# Altium PCB nPOC-BB_gamma_main-board.PcbDoc (part 3 of 3)
Units mm, origin at the board's own origin, x right, y up, seen from the top; angles counter-clockwise.
Board outline 84.2 x 118.74 mm, 4 copper layers (Top Layer, Layer 2, Layer 3, Bottom Layer), stack 1.528 mm thick; 241 components, 139 nets, 867 pads, 632 vias.
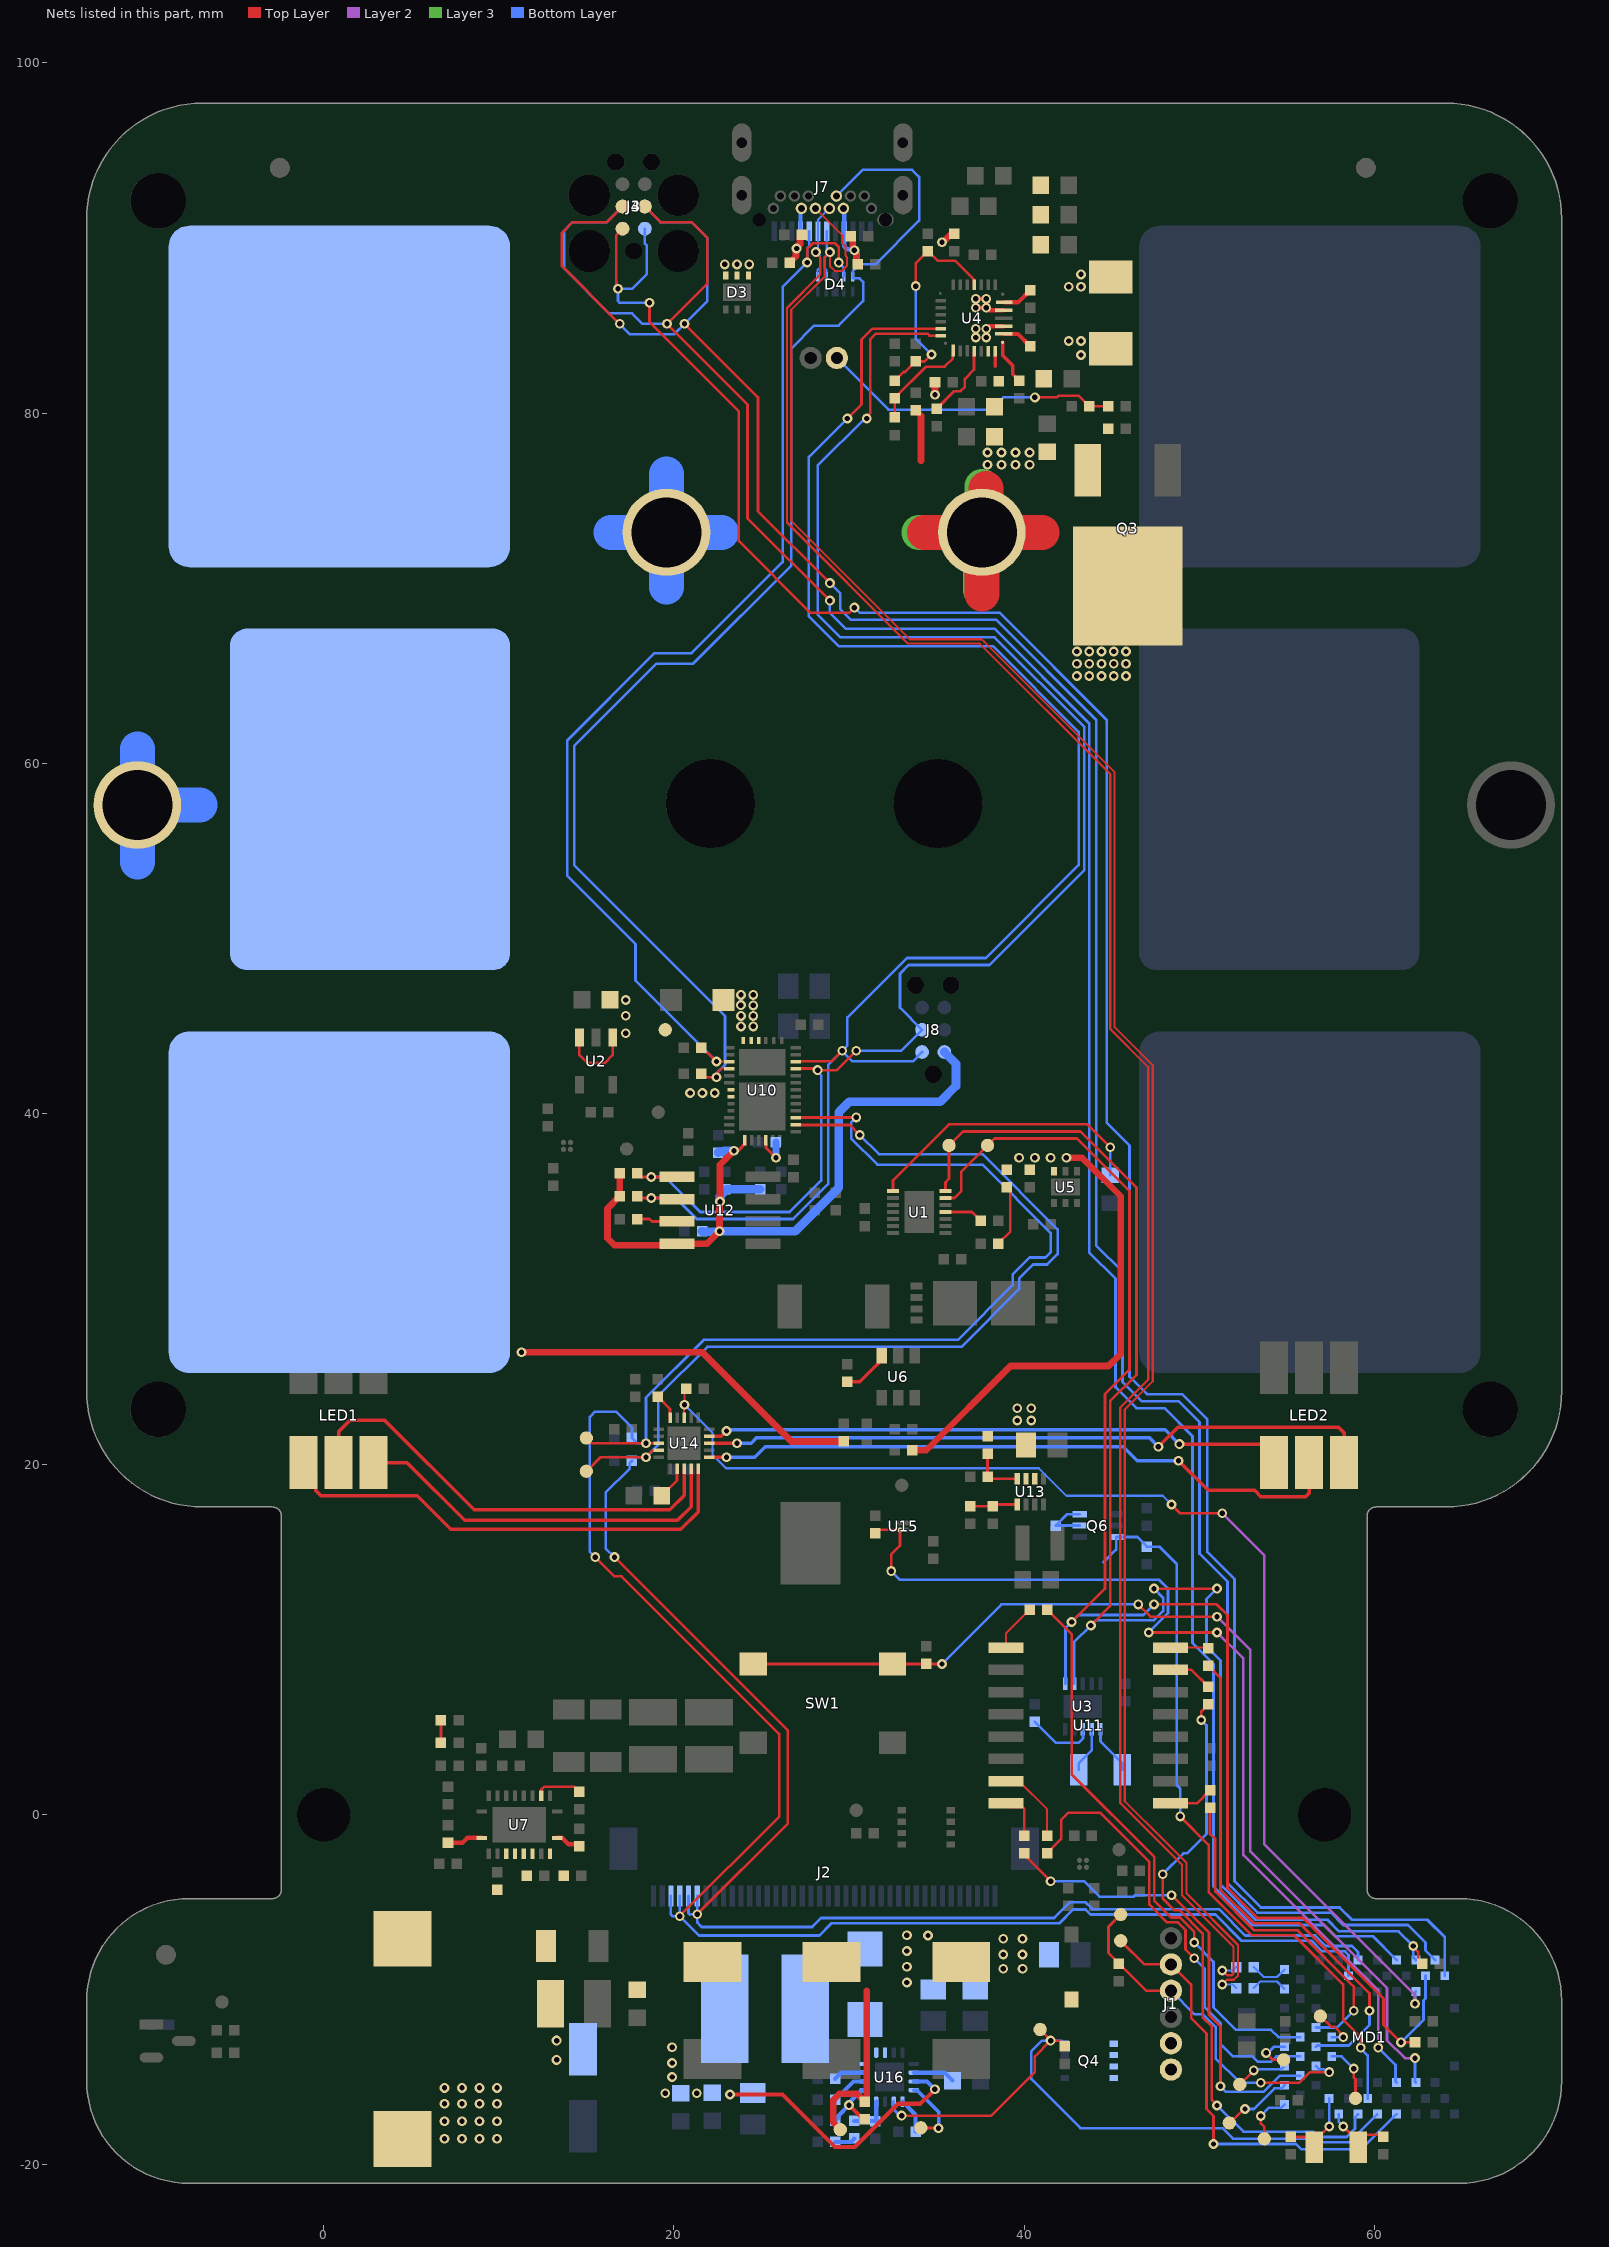
[diagram p5: the nets of this part, all layers, seen from the top]

## Via types
v1: diameter 0.559, hole 0.305, Top Layer to Bottom Layer, tented both sides, 632 vias

## Nets (pads, with @x,y where several pads share a name; then routed paths per layer and width w, separated by ;. In a path a pad name is that pad's centre, name@x,y a point inside that pad or via, vN(x,y) a via of type N, cw(c..) or ccw(c..) an arc to the next point about the centre after c; other vN are vias at no path point) (continued)
HTR_MODE: R72.2 U7.13 | length 2.7
  Top Layer w0.152: U7.13@12.424,1.072 12.424,1.424 12.6,1.6 14.3,1.6 R72.2@14.6,1.3
HTR_SS: C66.2 U7.10 | length 1.5
  Top Layer w0.25: U7.10@13.324,-1.328 13.628,-1.328 13.985,-1.685 14.485,-1.685 C66.2@14.6,-1.8
HTR_SW: C31.1 L2.2 R54.2 U7.4 U7.5 U7.6 U7.7
HTR_VCC: C36.2 U7.1 | length 2
  Top Layer w0.25: C36.2@7.1,-1.6 7.926,-1.6 8.198,-1.328 U7.1@9.024,-1.328
I2C0_SCL: J2.3 J2.4 MD1.34 R6.1 TP12.1 U10.9 U14.18 | length 137.5
  Top Layer w0.152: TP12.1@15,21.5 15.3,21.2 v1(18.4,21.2) 18.404,21.204 U14.18@19.126,21.204 ; v1(15.5,14.7) 16.6,13.6 17,13.6 26,4.6 26,-0.125 v1(20.325,-5.8) ; U10.9@26.949,39.788 26.955,39.794 30.394,39.794 v1(30.4,39.8)
  Bottom Layer w0.152: v1(15.5,14.7) 15.2,15 15.2,22.7 15.5,23 16.7,23 17.6,22.1 R6.1@17.6,21.5 17.9,21.2 v1(18.4,21.2) 18.4,23.8 21.7,27.1 36.2,27.1 39.337,30.237 39.337,30.837 40.3,31.8 41.2,31.8 41.5,32.1 41.5,33.2 37.6,37.1 31.618,37.1 30.117,38.6 30.117,39.517 v1(30.4,39.8) ; J2.3@19.825,-4.646 19.825,-5.708 19.914,-5.797 20.322,-5.797 v1(20.325,-5.8) ; J2.4@20.325,-4.646 v1(20.325,-5.8) ; MD1.34@58.5,-9.2 58.5,-8 58.3,-7.8 57,-7.8 56.4,-7.2 52.4,-7.2 50.9,-5.7 43.782,-5.7 43.5,-5.417 42.783,-5.417 42,-6.2 29,-6.2 28.3,-6.9 21.425,-6.9 v1(20.325,-5.8)
I2C0_SDA: J2.5 J2.6 MD1.35 R5.1 TP13.1 U10.8 U14.19 | length 130.4
  Top Layer w0.152: TP13.1@15,19.6 15.8,20.4 v1(18.4,20.4) 18.78,20.78 19.102,20.78 U14.19@19.126,20.804 ; v1(16.6,14.7) 26.5,4.8 26.5,-0.511 v1(21.325,-5.687) ; U10.8@26.949,39.388 26.973,39.364 30.036,39.364 v1(30.6,38.8)
  Bottom Layer w0.152: v1(16.6,14.7) 16.1,15.2 16.1,18.382 17.478,19.761 17.478,20.078 R5.1@17.6,20.2 ; R5.1@17.8,20.4 v1(18.4,20.4) 19.1,21.1 19.1,23.9 21.9,26.7 36.4,26.7 39.7,30 39.7,30.6 40.5,31.4 41.3,31.4 41.9,32 41.9,33.4 37.6,37.7 31.7,37.7 v1(30.6,38.8) ; J2.5@20.825,-4.646 20.825,-5.625 20.9,-5.7 20.913,-5.687 v1(21.325,-5.687) J2.6@21.325,-4.646 ; v1@21.331,-5.694 21.331,-6.163 21.489,-6.321 21.579,-6.411 27.889,-6.411 28.4,-5.9 41.7,-5.9 42.6,-5 43.478,-5 43.878,-5.4 51.1,-5.4 52.6,-6.9 56.6,-6.9 57.2,-7.5 58.7,-7.5 59.05,-7.85 MD1.35@59.05,-8.3
I2C1_SCL: MD1.41 R8.1 TP14.1 U1.14 U3.7 | length 86.4
  Top Layer w0.152: U1.14@35.496,35.6 35.496,36.096 35.7,36.3 TP14.1@35.7,38.2 36.5,39 43.2,39 46.4,35.8 46.4,25.1 44.9,23.6 44.9,11.9 v1(43.8,10.8) ; v1(47.4,12.9) v1(51,12.9) ; v1(62.2,-7.5) 62.2,-7.558 62.476,-7.834 62.476,-8.276 R8.1@62.7,-8.5
  Bottom Layer w0.152: U3.7@42.846,7.47 42.846,9.846 v1(43.8,10.8) 44.1,11.1 47.4,11.1 47.921,11.621 47.921,12.379 v1(47.4,12.9) ; v1(51,12.9) 50.4,12.3 50.4,9.6 51.2,8.8 51.2,-4 53.2,-6 57.3,-6 57.959,-6.659 61.359,-6.659 v1(62.2,-7.5) 62.2,-8.15 MD1.41@62.35,-8.3
I2C1_SDA: MD1.42 R7.1 TP15.1 U1.13 U3.6 | length 88.2
  Top Layer w0.152: U1.13@35.496,35.2 36,35.2 36.4,35.6 36.4,36.7 TP15.1@37.9,38.2 38.3,38.6 43,38.6 46,35.6 46,25.4 44.6,24 44.6,12.9 v1(42.7,11) ; v1(47.4,12) 50.982,12 51.6,11.382 51.6,-4.2 53.3,-5.9 55.9,-5.9 60.5,-10.5 60.5,-12 v1(61.5,-13) R7.1@62.3,-13
  Bottom Layer w0.152: U3.6@42.346,7.47 42.346,10.646 v1(42.7,11) 43.1,11.4 46.8,11.4 v1(47.4,12) ; v1(61.5,-13) 62.783,-11.717 62.783,-10.617 62.9,-10.5 MD1.42@62.9,-9.2
ILIM_HIZ: R16.1 R20.2 U4.17 | length 5.9
  Top Layer w0.152: R20.2@32.6,79.654 R16.1@32.6,80.854 34.4,82.654 35.453,82.654 35.917,83.118 35.917,83.559 U4.17@35.931,83.572
KSW_OUT: C87.1 J9.1 R11.1 | length 17.3
  Top Layer w0.152: v1(40.6,80.9) 41.855,80.9 41.955,81 43.1,81 C87.1@43.7,80.4 R11.1@44.8,80.4
  Bottom Layer w0.152: J9.1@29.3,83.15 32.25,80.2 38.1,80.2 38.8,80.9 v1(40.6,80.9)
LED1_B: LED1.1 U14.5 | length 27.5
  Top Layer w0.2: LED1.1@-1.15,20.1 -0.45,19.4 -0.45,18.5 -0.15,18.2 5.35,18.2 7.256,16.294 20.394,16.294 21.376,17.276 U14.5@21.376,19.754
LED1_G: LED1.3 U14.4 | length 22
  Top Layer w0.2: LED1.3@2.85,20.1 4.75,20.1 8.05,16.8 20.2,16.8 20.976,17.576 U14.4@20.976,19.754
LED1_R: LED1.2 U14.3 | length 25.7
  Top Layer w0.2: LED1.2@0.85,20.1 0.85,21.85 1.5,22.5 3.5,22.5 8.6,17.4 19.758,17.4 20.576,18.218 U14.3@20.576,19.754
LED2_B: LED2.1 U14.9 | length 33.6
  Top Layer w0.2: U14.9@22.026,21.604 22.703,21.604 v1(23,21.9) ; v1(48.85,21.15) 53.9,21.15 54.25,20.8 LED2.1@54.25,20.1
  Bottom Layer w0.2: v1(23,21.9) 23.06,21.96 48.04,21.96 v1(48.85,21.15)
LED2_G: LED2.3 U14.8 | length 38.8
  Top Layer w0.2: U14.8@22.026,21.204 23.596,21.204 v1(23.6,21.2) ; v1(47.65,21) 48.75,22.1 57.95,22.1 58.25,21.8 LED2.3@58.25,20.1
  Bottom Layer w0.2: v1(23.6,21.2) 24.4,21.2 24.7,21.5 47.15,21.5 v1(47.65,21)
LED2_R: LED2.2 U14.6 | length 37.5
  Top Layer w0.2: U14.6@22.026,20.404 22.996,20.404 v1(23,20.4) ; v1(48.8,20.2) 50.494,18.506 53.142,18.506 53.499,18.15 56.05,18.15 56.25,18.35 LED2.2@56.25,20.1
  Bottom Layer w0.2: v1(23,20.4) 24.6,20.4 25.206,21.006 45.644,21.006 46.45,20.2 v1(48.8,20.2)
LED_DRV_EN: MD1.59 R48.1 U14.13 | length 69
  Top Layer w0.127: U14.13@20.576,22.654 20.576,23.376 v1(20.6,23.4) 20.6,24.2 R48.1@20.7,24.3
  Top Layer w0.152: v1(48.4,17.7) 48.9,17.2 v1@51.289,17.2
  Layer 2 w0.152: v1(51.3,17.2) 53.7,14.8 53.7,-1.7 62.3,-10.3 v1(62.3,-10.8)
  Bottom Layer w0.127: v1(20.6,23.4) 22.2,21.8 22.2,20.535 22.966,19.77 40.83,19.77 42.4,18.2 47.9,18.2 v1(48.4,17.7)
  Bottom Layer w0.152: v1(62.3,-10.8) 62.3,-10.15 MD1.59@62.35,-10.1
MOTOR_CATHODE: J1.5 Q4.5 Q4.6 Q4.7 Q4.8
MOTOR_FG: J1.3 MD1.20 R29.1 TP22.1 | length 20.4
  Top Layer w0.152: TP22.1@45.5,-5.7 44.8,-6.4 44.8,-7.9 R29.1@45.4,-8.5 46.95,-10.05 J1.3@48.37,-10.05 J1.3@48.37,-10.07 ; v1@53.511,-15.3 55.7,-15.3 56.3,-14.7 v1(57.4,-14.7)
  Bottom Layer w0.152: J1.3@48.37,-10.05 49.72,-11.4 50.2,-11.4 50.921,-12.121 50.921,-13.921 52.3,-15.3 v1@53.489,-15.3 ; MD1.20@56.65,-14.35 56.828,-14.528 57.118,-14.528 57.29,-14.7 v1(57.4,-14.7)
  other v1: 53.5,-15.3
MOTOR_POWER_EN: MD1.9 Q4.4 R27.1 TP29.1 U16.6 | length 39.4
  Top Layer w0.152: v1(32.995,-17.18) 38.12,-17.18 40.6,-14.7 40.6,-13.8 v1(41.5,-12.9) ; TP29.1@40.9,-12.265 41.5,-12.865 v1(41.5,-12.9) ; R27.1@42.3,-13.229 41.972,-12.9 v1(41.5,-12.9)
  Bottom Layer w0.152: U16.6@32.545,-16.38 32.516,-16.409 32.516,-16.813 32.807,-17.103 32.917,-17.103 v1(32.995,-17.18) ; Q4.4@42.289,-13.079 42.11,-12.9 41,-12.9 40.4,-13.5 40.4,-15.1 43.2,-17.9 51.3,-17.9 51.9,-18.5 56.226,-18.5 56.426,-18.7 58.55,-18.7 MD1.9@60.15,-17.1
MOTOR_PWM: J1.2 MD1.7 TP23.1 | length 26.1
  Top Layer w0.152: TP23.1@45.5,-7.2 46.85,-8.55 J1.2@48.37,-8.55 49.519,-9.699 49.519,-11.619 50.4,-12.5 50.4,-16.8 50.8,-17.2 v1(50.8,-18.8)
  Bottom Layer w0.152: v1(50.8,-18.8) 55.5,-18.8 55.8,-19.1 59.25,-19.1 MD1.7@61.25,-17.1
MS_COMP: C76.2 C77.2 U16.8 | length 2.3
  Bottom Layer w0.24: C77.2@30.295,-17.48 31.495,-17.48 31.545,-17.43 U16.8@31.545,-16.38
MS_FB: R32.1 R61.2 U16.9 | length 3.8
  Top Layer w0.24: v1(29.995,-16.58) 30.615,-17.2 30.715,-17.2 R32.1@30.895,-17.38
  Bottom Layer w0.24: R61.2@29.195,-17.48 29.375,-17.3 29.375,-17.2 v1(29.995,-16.58) 30.056,-16.519 30.056,-16.389 30.715,-15.73 U16.9@30.895,-15.73
MS_MODE: R1.2 U16.11 | length 1.8
  Bottom Layer w0.24: R1.2@29.195,-15.08 29.545,-14.73 U16.11@30.895,-14.73
MS_PGOOD: TP11.1 U16.4 | length 3.9
  Top Layer w0.152: TP11.1@34.095,-17.88 34.105,-17.89 35.09,-17.89 v1(35.1,-17.9)
  Bottom Layer w0.2: U16.4@33.695,-15.73 33.875,-15.73 35.1,-16.955 v1(35.1,-17.9)
MS_RT: R34.2 U16.5 | length 2
  Bottom Layer w0.24: U16.5@33.045,-16.38 33.795,-17.13 R34.2@33.795,-18.08
MS_SS: C75.2 U16.10 | length 2.1
  Bottom Layer w0.24: C75.2@29.195,-16.28 30.245,-15.23 U16.10@30.895,-15.23
MS_SW: D7.A L4.2 U16.12 U16.13 U16.14
MS_VCC: C73.2 U16.2 | length 2.4
  Bottom Layer w0.24: U16.2@33.695,-14.73 35.445,-14.73 C73.2@35.895,-15.18
NetC38_2: C38.2 R56.1 | length 1.3
  Top Layer w0.152: R56.1@6.7,4.1 C38.2@6.7,5.4
NetC67_1: C67.1 U14.2 | length 1.9
  Top Layer w0.152: C67.1@19.3,18.2 20.176,19.076 U14.2@20.176,19.754
NetC77_1: C77.1 R60.2 | length 1.2
  Bottom Layer w0.24: R60.2@29.195,-18.68 30.095,-18.68 C77.1@30.295,-18.48
NetQ6_5: Q6.5 Q6.6 R37.1 | length 3
  Bottom Layer w0.152: Q6.5@43.161,16.5 R37.1@41.8,16.5 42.45,17.15 Q6.6@43.161,17.15
NetR12_1: R12.1 U3.3 | length 3.9
  Bottom Layer w0.152: R12.1@40.6,5.3 41.8,4.1 43.1,4.1 43.346,4.346 U3.3@43.346,4.879
NetR15_2: R15.2 R51.1 | length 3.6
  Top Layer w0.152: R15.2@38.5,32.6 39.2,33.3 39.2,35.6 R51.1@39,35.8
NetR25_1: R25.1 U6.3 | length 2.6
  Top Layer w0.2: R25.1@29.9,24.7 30.6,24.7 31.2,25.3 31.85,25.95 U6.3@31.85,26.1
NetR58_1: R58.1 U14.15 | length 1.5
  Top Layer w0.152: R58.1@19.076,23.854 19.776,23.154 U14.15@19.776,22.654
NetR74_1: R74.1 R77.2 U13.8 | length 3
  Top Layer w0.152: R74.1@37.9,20.6 R77.2@37.9,19.3 38.02,19.18 U13.8@39.6,19.18
NetR75_1: R75.1 R76.2 U13.1 | length 2.7
  Top Layer w0.152: R76.2@36.9,17.6 R75.1@38.2,17.6 38.3,17.7 U13.1@39.6,17.7
nRF_RESET_N: J3.3 J4.3 MD1.39 | length 143.6
  Top Layer w0.152: J3.3@18.335,91.8 19.235,90.9 21,90.9 21.9,90 21.9,87.4 v1(19.6,85.1) 24.2,80.5 24.2,74 v1(28.9,69.3)
  Bottom Layer w0.152: J4.3@17.065,91.8 16.165,90.9 14.206,90.9 13.719,90.412 13.719,88.281 16.3,85.7 17.6,85.7 18.2,85.1 v1(19.6,85.1) ; v1(28.9,69.3) 28.9,68.6 29.8,67.7 38.3,67.7 43.7,62.3 43.7,32.1 45.2,30.6 45.2,24.4 46.4,23.2 48,23.2 49.6,21.6 49.6,9.8 50.8,8.6 50.8,-4.1 53,-6.3 57.1,-6.3 57.738,-6.938 59.888,-6.938 MD1.39@61.25,-8.3
OSCI: U3.1 Y2.1 | length 2.8
  Bottom Layer w0.152: U3.1@44.346,4.879 44.346,4.17 45.596,2.92 Y2.1@45.596,2.57
OSCO: U3.2 Y2.2 | length 2.6
  Bottom Layer w0.152: Y2.2@43.096,2.57 43.096,2.92 43.846,3.67 U3.2@43.846,4.879
P1.10: MD1.53 TP6.1 | length 3.3
  Top Layer w0.152: v1(58.8,-14.5) 58.8,-15 58.9,-15.1 TP6.1@58.9,-16.2
  Bottom Layer w0.152: MD1.53@57.55,-13.8 58.1,-13.8 v1(58.8,-14.5)
P1.11: MD1.54 TP7.1 | length 2.5
  Top Layer w0.152: TP7.1@56.9,-11.5 57.5,-12.1 57.7,-12.1 58.2,-12.6 v1(58.2,-12.7)
  Bottom Layer w0.152: MD1.54@57.55,-12.7 v1(58.2,-12.7)
P1.12: MD1.61 TP1.1 | length 3
  Top Layer w0.152: v1(53.5,-17.2) 53.5,-17.637 53.7,-17.837 TP1.1@53.7,-18.5
  Bottom Layer w0.152: v1(53.5,-17.2) 53.972,-16.728 54.672,-16.728 MD1.61@54.85,-16.55
P1.13: MD1.62 TP2.1 | length 4
  Top Layer w0.152: TP2.1@51.7,-17.6 51.75,-17.6 52.55,-16.8 v1(52.6,-16.8)
  Bottom Layer w0.152: v1(52.6,-16.8) 53.105,-16.8 54.277,-15.628 54.672,-15.628 MD1.62@54.85,-15.45
P1.14: MD1.63 TP3.1 | length 3
  Top Layer w0.152: TP3.1@52.3,-15.4 v1(53.1,-14.6)
  Bottom Layer w0.152: v1(53.1,-14.6) 53.172,-14.528 54.672,-14.528 MD1.63@54.85,-14.35
P1.15: MD1.64 TP4.1 | length 2.4
  Top Layer w0.152: v1(53.8,-13.6) 54.2,-14 TP4.1@54.8,-14
  Bottom Layer w0.152: v1(53.8,-13.6) 53.91,-13.6 54.26,-13.25 MD1.64@54.85,-13.25
PD_LDO_1V5: C54.2 U10.4 | length 2.1
  Top Layer w0.152: U10.4@25.249,38.488 25.249,38.069 v1(25.822,37.495)
  Bottom Layer w0.381: v1(25.822,37.495) C54.2@25.822,38.395
PD_LDO_3V3: C53.2 C61.2 J8.2 R35.2 R36.2 R41.2 R42.2 U10.1 U12.8 | length 43.1
  Top Layer w0.2: v1(23.422,37.895) 23.491,37.964 23.725,37.964 24.049,38.288 U10.1@24.049,38.488
  Top Layer w0.381: R35.2@16.9,36.6 R36.2@16.9,35.3 16.2,34.6 16.2,32.9 16.6,32.5 U12.8@20.172,32.5 ; U12.8@20.172,32.59 21.89,32.59 v1(22.6,33.3) 22.6,34.973 v1(22.622,34.995) 22.622,37.095 v1(23.422,37.895)
  Bottom Layer w0.5: C61.2@21.6,33.3 21.622,33.278 22.562,33.278 22.577,33.293 v1@22.593,33.293 ; C53.2@22.523,37.795 22.572,37.845 22.815,37.845 22.865,37.895 v1(23.422,37.895) ; v1(22.6,33.3) 26.918,33.3 29.4,35.782 29.4,40.1 30,40.7 35.2,40.7 36.1,41.6 36.1,42.865 J8.2@35.435,43.53 ; v1@22.622,35.011 22.622,35.295 23.022,35.695 R42.2@24.923,35.695
PD_SCL: J8.1 R36.1 U4.14 U10.17 U12.6 | length 96
  Top Layer w0.152: R36.1@17.9,35.3 18,35.2 v1(18.7,35.2) 20.102,35.2 U12.6@20.172,35.13 ; U10.17@26.949,42.988 26.973,43.011 29.011,43.011 v1(29.6,43.6) ; v1(29.9,79.7) 30.7,80.5 30.7,84.2 31.322,84.822 U4.14@35.231,84.822
  Bottom Layer w0.152: v1(18.7,35.2) 20.1,35.2 21.3,34 26.8,34 28.8,36 28.8,42.8 v1(29.6,43.6) ; v1(29.9,79.7) 27.7,77.5 27.7,68.4 29.4,66.7 38.2,66.7 43.1,61.8 43.1,54.2 37.8,48.9 33.3,48.9 29.9,45.5 29.9,43.9 v1(29.6,43.6) ; J8.1@34.165,43.53 33.635,43 30.2,43 v1(29.6,43.6)
PD_SDA: J8.3 R35.1 U4.15 U10.16 U12.5 | length 92.2
  Top Layer w0.152: R35.1@17.9,36.6 18.1,36.4 v1(18.7,36.4) U12.5@20.172,36.4 ; U10.16@26.949,42.588 28.112,42.588 v1(28.2,42.5) 29.3,42.5 v1(30.4,43.6) ; v1(31,79.7) 31,79.792 31.2,79.992 31.2,84.2 31.543,84.543 34.457,84.543 34.578,84.422 U4.15@35.231,84.422
  Bottom Layer w0.152: v1(18.7,36.4) 19.5,36.4 21.5,34.4 26.6,34.4 28.4,36.2 28.4,42.208 28.2,42.408 v1(28.2,42.5) ; v1(30.4,43.6) 32.965,43.6 J8.3@34.165,44.8 32.9,46.065 32.9,48 33.4,48.5 38,48.5 43.421,53.921 43.421,62.079 38.3,67.2 29.5,67.2 28.2,68.5 28.2,77 30.9,79.7 v1(31,79.7)
PMID: C12.2 C13.2 C14.2 C15.2 U4.29 | length 1.8
  Top Layer w0.25: U4.29@38.856,86.322 39.631,86.322 C15.2@40.331,87.022
PROG: R22.2 U4.20 | length 4.4
  Top Layer w0.152: R22.2@35,80.254 36,81.254 36.362,81.254 36.6,81.491 36.6,81.954 37.131,82.485 U4.20@37.131,83.522
PWR_SWITCH: MD1.49 R3.1 SW1.1 SW1.2 | length 59.8
  Top Layer w0.152: SW1.1@24.525,8.6 SW1.2@32.475,8.6 R3.1@34.4,8.6 v1(35.3,8.6) ; v1(46.5,12) 47.2,11.3 v1(51,11.3)
  Layer 2 w0.152: v1(51,11.3) 52.9,9.4 52.9,-2.1 60.7,-9.9 60.7,-12.882 61.718,-13.9 v1(62.3,-13.9)
  Bottom Layer w0.152: v1(35.3,8.6) 38.7,12 v1(46.5,12) ; v1(62.3,-13.9) 62.3,-15.25 MD1.49@62.35,-15.3
QSPI_CLK: MD1.19 R64.1 | length 26.7
  Top Layer w0.152: R64.1@40,-2.2 40,-2.3 v1(41.5,-3.8) ; v1(48.4,-4.6) 50.538,-6.738 50.538,-11.438 51.2,-12.1 v1(51.2,-15.5)
  Bottom Layer w0.152: v1(41.5,-3.8) 43.4,-3.8 44.283,-4.683 46.245,-4.683 46.328,-4.6 v1(48.4,-4.6) ; v1(51.2,-15.5) 51.2,-15.524 51.491,-15.815 53.668,-15.815 54.582,-14.9 MD1.19@55.75,-14.9
QSPI_CLK_R: R64.2 U11.16 | length 2.7
  Top Layer w0.127: U11.16@38.947,0.648 39.184,0.411 39.926,0.411 40,0.337 R64.2@40,-1.2
QSPI_CS: MD1.11 R63.1 | length 35.5
  Top Layer w0.152: v1(47.9,-3.4) 47.9,-4.8 48.551,-5.451 48.856,-5.451 50.183,-6.778 50.183,-11.583 50.7,-12.1 50.7,-16.3 v1(51,-16.6) ; v1(50.1,5.4) 50.1,5.9 R63.1@50.5,6.3
  Bottom Layer w0.152: v1(47.9,-3.4) 49.089,-2.211 49.289,-2.211 50.4,-1.1 50.4,5.1 v1(50.1,5.4) ; v1(51,-16.6) 52.5,-18.1 56.474,-18.1 56.774,-18.4 58.402,-18.4 58.872,-17.93 58.872,-17.278 MD1.11@59.05,-17.1
QSPI_CS_R: R63.2 U11.7 | length 2.6
  Top Layer w0.152: U11.7@48.345,8.268 49.532,8.268 R63.2@50.5,7.3
QSPI_IO0: MD1.21 R65.1 | length 26.1
  Top Layer w0.152: R65.1@41.3,-2.2 42.1,-1.4 42.1,-0.3 42.5,0.1 44.341,0.1 47.138,-2.697 47.138,-5.138 48.15,-6.15 48.765,-6.15 49.2,-6.585 49.2,-7.7 v1(49.7,-8.2)
  Bottom Layer w0.152: v1(49.7,-8.2) 50.3,-8.8 50.3,-11 51.2,-11.9 51.2,-13.1 51.9,-13.8 53.018,-13.8 53.318,-14.1 54.082,-14.1 54.382,-13.8 MD1.21@55.75,-13.8
QSPI_IO0_R: R65.2 U11.15 | length 4.5
  Top Layer w0.127: U11.15@38.947,1.918 39.682,1.918 41.3,0.3 R65.2@41.3,-1.2
QSPI_IO1: MD1.22 R66.1 | length 29.4
  Top Layer w0.152: R66.1@50.5,8.5 51.2,7.8 51.2,-4.3 53.1,-6.2 55.7,-6.2 59.7,-10.2 v1(59.7,-11.2)
  Bottom Layer w0.152: MD1.22@56.65,-13.25 56.717,-13.183 58.517,-13.183 59.7,-12 v1(59.7,-11.2)
QSPI_IO1_R: R66.2 U11.8 | length 2.2
  Top Layer w0.127: U11.8@48.345,9.538 50.462,9.538 R66.2@50.5,9.5
QSPI_IO2: MD1.23 R67.1 | length 32.6
  Top Layer w0.152: R67.1@41.3,11.7 42.7,10.3 42.7,2.305 47.417,-2.413 47.417,-4.917 48.371,-5.871 48.88,-5.871 49.7,-6.69 v1(49.7,-7.3)
  Bottom Layer w0.152: v1(49.7,-7.3) 50.8,-8.4 50.8,-11 52.083,-12.283 54.083,-12.283 54.5,-12.7 MD1.23@55.75,-12.7
QSPI_IO2_R: R67.2 U11.9 | length 2.7
  Top Layer w0.127: U11.9@38.947,9.538 38.947,10.347 R67.2@40.3,11.7
QSPI_IO3: MD1.24 R68.1 | length 19
  Top Layer w0.152: R68.1@50.6,0.4 50.6,-1.1 50.9,-1.4 50.9,-4.4 53.1,-6.6 55.6,-6.6 58.8,-9.8 v1(58.8,-11.2)
  Bottom Layer w0.152: MD1.24@56.65,-12.15 57.85,-12.15 v1(58.8,-11.2)
QSPI_IO3_R: R68.2 U11.1 | length 2.6
  Top Layer w0.152: U11.1@48.345,0.648 49.848,0.648 R68.2@50.6,1.4
REG: C28.2 U1.11 | length 2.2
  Top Layer w0.152: U1.11@35.496,34.4 37,34.4 C28.2@37.5,33.9
REGN: C23.2 R16.2 R17.2 U4.5 | length 12.9
  Top Layer w0.152: R16.2@32.6,81.854 33.1,82.354 33.2,82.354 R17.2@33.8,82.954 34.3,82.954 v1(34.7,83.354) ; v1(33.8,87.254) 33.8,88.554 C23.2@34.5,89.254 35.048,88.705 36.048,88.705 37.131,87.622 U4.5@37.131,87.322
  Bottom Layer w0.152: v1(33.8,87.254) 33.8,84.254 v1(34.7,83.354)
SDRV: C27.2 U4.24 | length 2.6
  Top Layer w0.2: U4.24@38.762,84.041 38.762,83.291 39.331,82.722 39.331,82.222 C27.2@39.7,81.854
SENSOR_PWR_EN: MD1.50 R59.1 U15.B2 | length 57.1
  Top Layer w0.152: R59.1@31.5,16.054 31.7,16.254 U15.B2@32.899,16.254 32.899,15.354 32.4,14.854 v1(32.4,13.9) ; v1(47.1,10.4) v1(51,10.4)
  Layer 2 w0.152: v1(51,10.4) 52.5,8.9 52.5,-2.3 60.2,-10 v1(60.2,-13.3)
  Bottom Layer w0.152: v1(32.4,13.9) 32.9,13.4 47.7,13.4 48.2,12.9 48.2,11.5 v1(47.1,10.4) ; v1(60.2,-13.3) 61.183,-14.283 61.183,-15.233 MD1.50@61.25,-15.3
SW1: C5.1 L1.1 U4.28 | length 3.7
  Top Layer w0.25: v1(37.231,86.022) v1(37.831,86.022) ; v1(37.231,86.522) v1(37.831,86.522) v1(37.831,86.022) ; U4.28@38.831,85.872 37.981,85.872 v1(37.831,86.022)
  Top Layer w0.381: v1(35.3,89.754) 35.348,89.754 35.738,90.144 35.89,90.144 C5.1@36,90.254
  other v1: 42.531,87.222 43.231,87.222 43.231,87.922
SW2: C11.1 L1.2 U4.26 | length 1.8
  Top Layer w0.25: v1(37.831,84.822) 37.981,84.972 U4.26@38.831,84.972
  Top Layer w0.381: v1(34.9,81.054) C11.1@34.9,81.754
  other v1: 43.231,83.322 42.531,84.122 43.231,84.122 37.231,84.322 37.831,84.322 37.231,84.822
SWCLK: J3.4 J4.4 MD1.43 | length 146.5
  Top Layer w0.152: v1(16.9,85.1) 13.6,88.4 13.6,90.294 14.206,90.9 16.165,90.9 J3.4@17.065,91.8 ; v1(20.6,85.1) 24.8,80.9 24.8,74.4 v1(28.9,70.3)
  Bottom Layer w0.152: v1(16.9,85.1) 17.5,84.5 20,84.5 20.3,84.8 20.308,84.8 20.6,85.092 v1(20.6,85.1) 21.9,86.4 21.9,90 21,90.9 19.235,90.9 J4.4@18.335,91.8 ; v1(28.9,70.3) 29.5,69.7 29.5,68.8 30.1,68.2 38.4,68.2 44.1,62.5 44.1,32.5 45.6,31 45.6,24.7 46.7,23.6 48.8,23.6 50,22.4 50,14.9 51.6,13.3 51.6,-3.9 53.3,-5.6 57.5,-5.6 58.2,-6.3 61.9,-6.3 62.9,-7.3 62.9,-7.75 MD1.43@63.45,-8.3
SWDIO: J3.2 J4.2 MD1.44 | length 138
  Top Layer w0.152: v1(16.8,87.1) 16.722,87.178 16.722,87.47 16.7,87.492 16.7,90.141 17.065,90.506 J3.2@17.065,90.53 ; v1(18.6,86.3) 18.6,85.2 23.7,80.1 23.7,72.7 27.8,68.6 30,68.6 v1(30.3,68.9)
  Bottom Layer w0.152: J4.2@18.335,90.53 18.335,89.685 18.449,89.57 18.449,87.949 17.6,87.1 v1(16.8,87.1) 16.8,86.4 16.9,86.3 v1(18.6,86.3) ; v1(30.3,68.9) 30.311,68.9 30.611,68.6 38.6,68.6 44.7,62.5 44.7,39.5 46,38.2 46,25 47,24 49,24 50.45,22.55 50.45,14.991 52,13.441 52,-3.8 53.5,-5.3 58,-5.3 58.7,-6 63,-6 64,-7 MD1.44@64,-9.2
THERM: R18.2 U1.1 | length 16.5
  Top Layer w0.152: U1.1@32.504,35.6 32.504,36.204 35.7,39.4 43.6,39.4 v1(44.9,38.1)
  Bottom Layer w0.152: R18.2@44.9,36.5 v1(44.9,38.1)
USB_CC1: C56.2 D4.4 J7.A5 U10.28 | length 64.4
  Top Layer w0.127: C56.2@21.522,43.795 21.839,43.479 21.939,43.479 v1(22.43,42.988) U10.28@23.149,42.988
  Top Layer w0.152: v1(27.6,88.6) 27.6,89.377 27.923,89.7 29.2,89.7 29.4,89.5 v1(29.4,88.594)
  Bottom Layer w0.152: v1(22.43,42.988) 17.8,47.617 17.8,49.7 13.9,53.6 13.9,61.3 18.9,66.3 21,66.3 26.2,71.5 26.2,87.2 v1(27.6,88.6) 27.6,89.394 27.72,89.514 J7.A5@27.72,90.384 ; v1(29.4,88.594) 29.7,88.294 D4.4@29.7,87.819
USB_CC2: C55.2 D4.5 J7.B5 U10.29 | length 74.2
  Top Layer w0.127: C55.2@21.549,42.288 21.742,42.095 v1(22.423,42.095) 22.423,42.316 22.694,42.588 U10.29@23.149,42.588
  Bottom Layer w0.152: v1(22.423,42.095) 22.5,42.173 22.5,42.401 22.605,42.505 22.63,42.505 22.913,42.788 22.913,45.587 14.3,54.2 14.3,61 19,65.7 21.1,65.7 26.7,71.3 26.7,83.7 28,85 29.4,85 30.8,86.4 30.8,87.493 30.6,87.694 30.2,87.694 D4.5@30.2,87.794 30.2,88.094 30.6,88.494 31.5,88.494 34,90.994 34,93.494 33.6,93.894 30.77,93.894 J7.B5@29.27,92.394